# Altium PCB IMX6 DEV BOARD.PcbDoc (part 3 of 12)
Units mm, origin at the board's own origin, x right, y up, seen from the top; angles counter-clockwise.
Board outline 72.05 x 100.23 mm, 8 copper layers (Top Layer, GND 1, Inner 2, PWR 1, PWR 2, Inner 5, GND2, Bottom Layer), stack 1.463 mm thick; 691 components, 568 nets, 3028 pads, 1624 vias.
Unrouted connection lines stored in the file: 1.
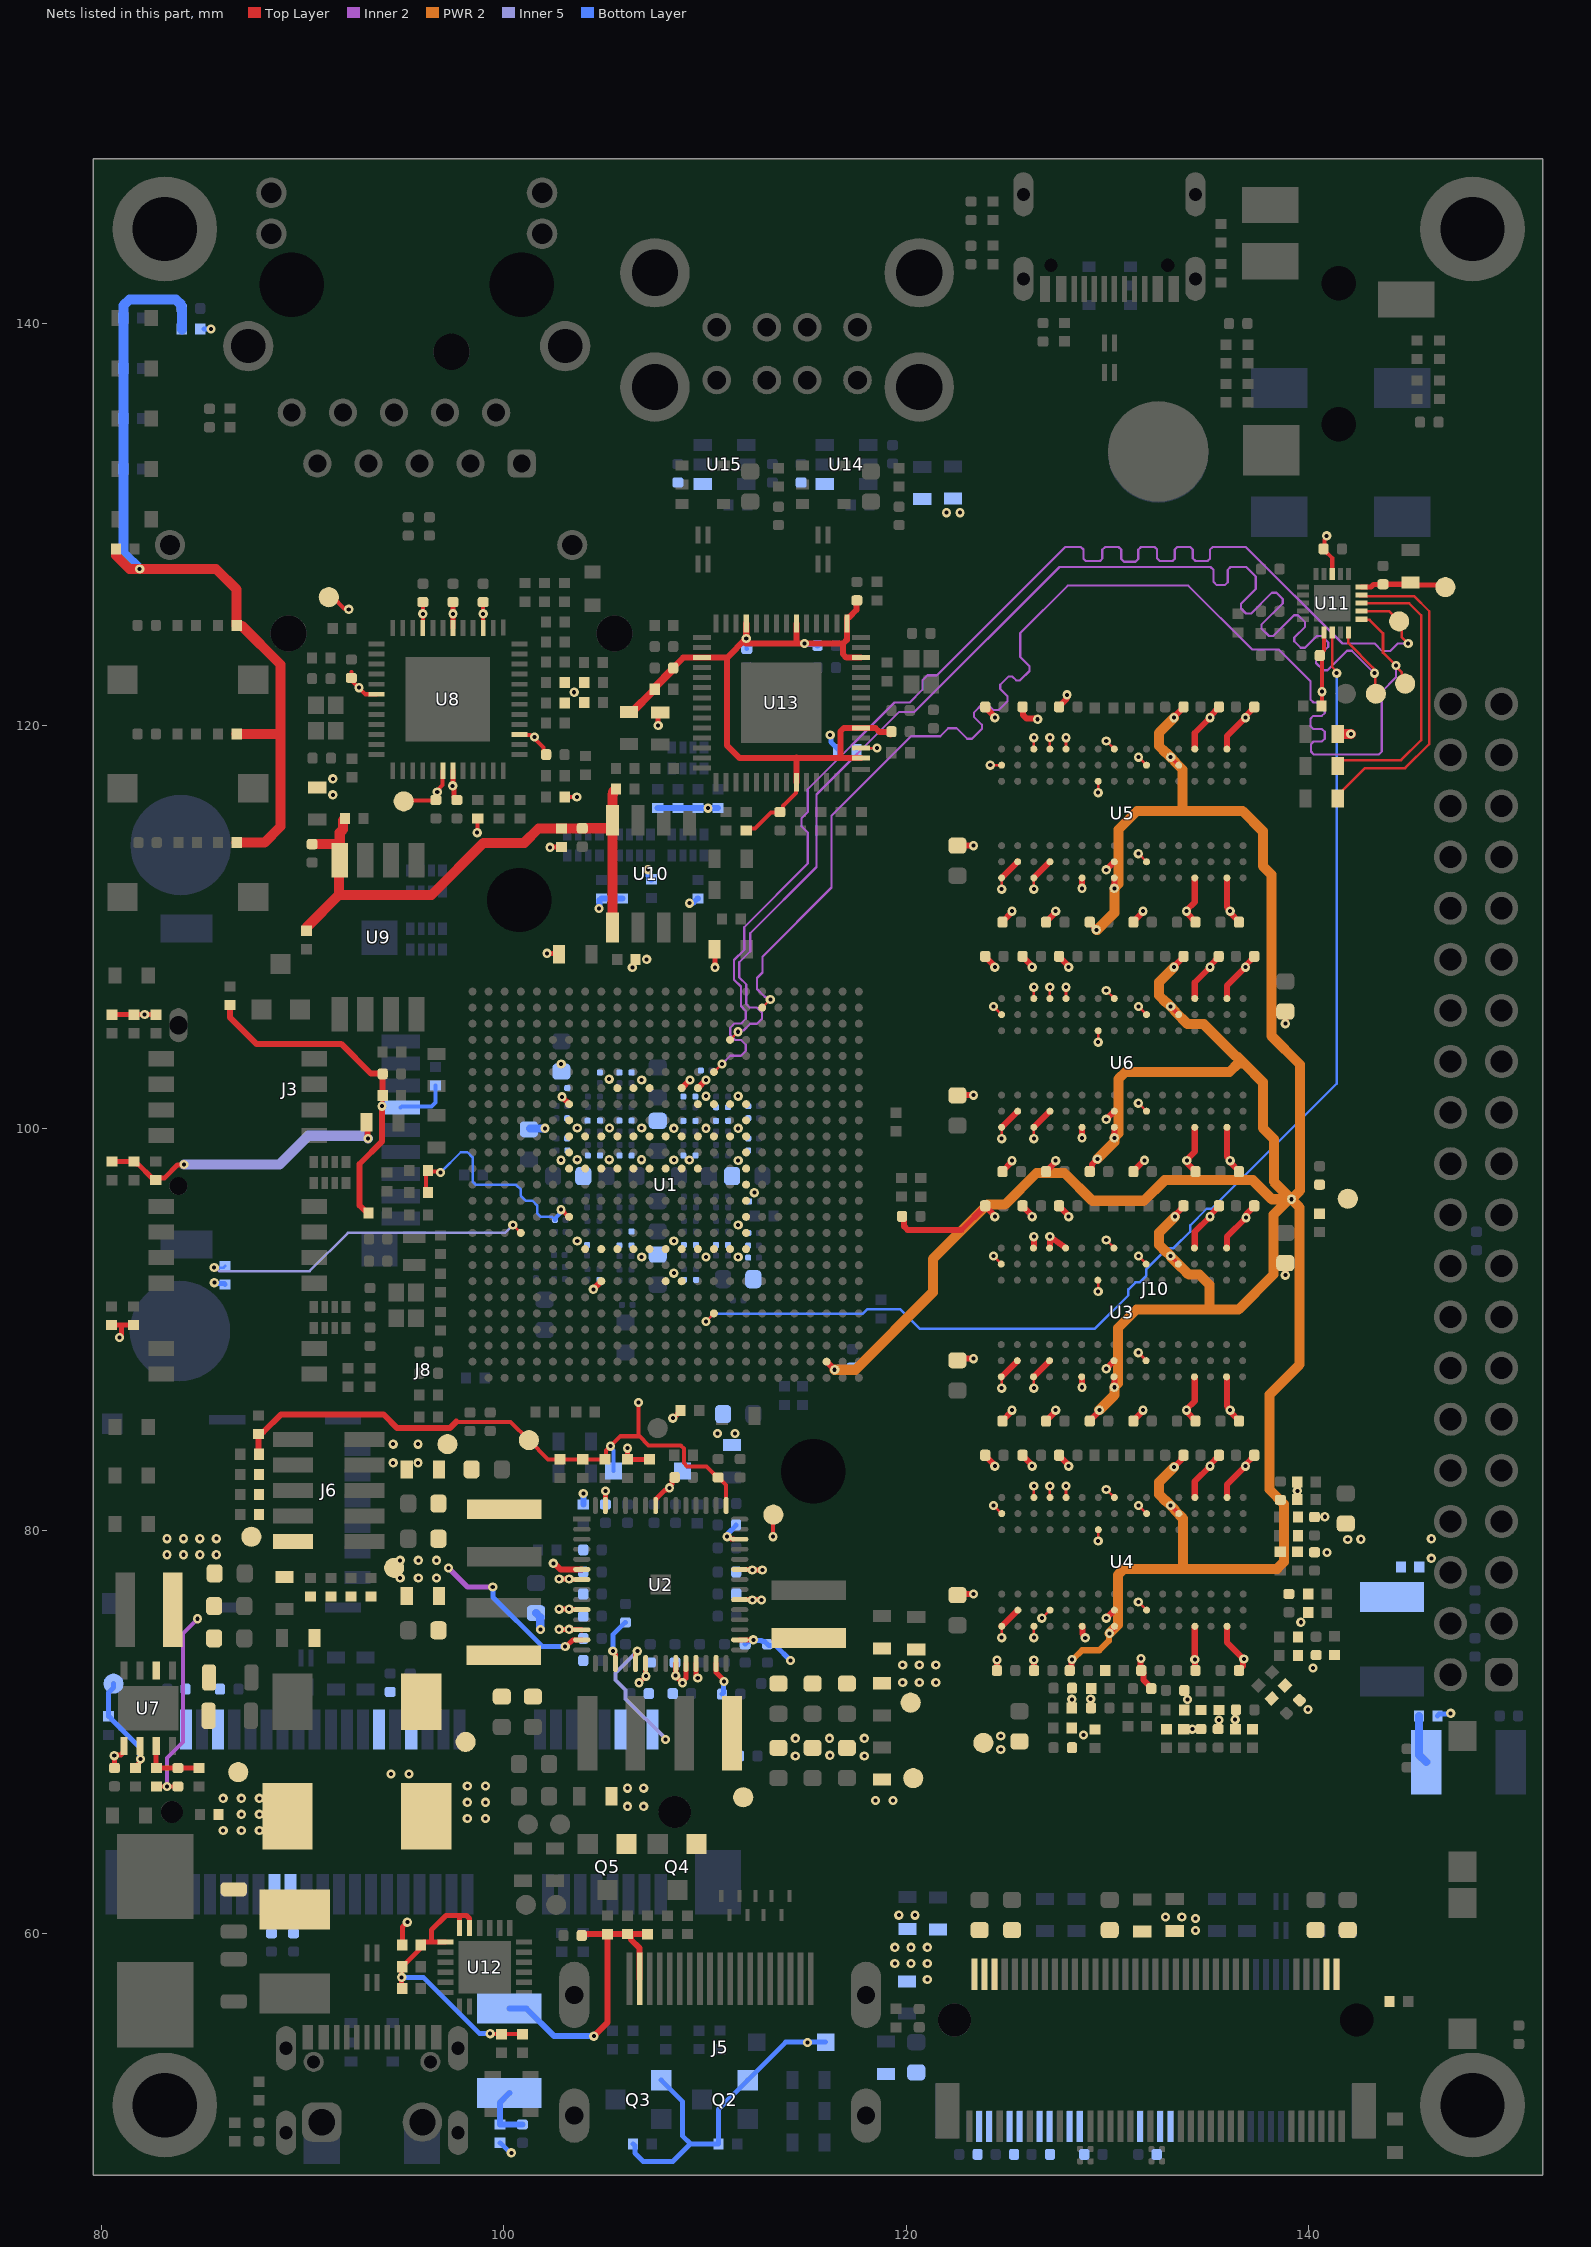
[diagram p9: the nets of this part, all layers, seen from the top]

## Part data
BT1: library part "battery holder", "WA-BCPH Battery Holder, THT, Battery Type 2450", Manufacturer="Wurth Elektronik", Operating Temperature="-40 to +105degC", Battery Type=2450, ComponentLink1Description=Manufacturer, ComponentLink1URL=http://www.we-online.de, ComponentLink2Description=Datasheet, ComponentLink2URL=https://www.we-online.com/catalog/datasheet/79578211.pdf, Manufacturer Part Number=79578211, Mounting Technology=THT, Packaging=Bag, Published Date="July 2021"
C1 C4 C5 C6 C190 C191 C261 C262: library part "cap 22pF 50V", "cap cer 22pF 50V 5% NP0 0402", Diélectrique=NP0, Tension du diélectrique=50V
C2 C7 C11 C149 C176 C186 C187 C188 C189 C206 C211 C213 C214 C215 C219 C220 C221 C222 C249 C260 C263 C264 C265 C306 C311: library part "cap 0.1µ 16V", "cap solid electrolyte 0.1µ 6.3V 10%", Diélectrique=X7R, Tension du diélectrique=16V
C3 C8 C9 C10 C185 C192 C193 C194 C195 C196 C197 C198 C199 C200 C201 C202 C203 C204 C205 C207 C208 C212 C216 C217 C218 C225 C226 C227 C228 C241 C245 C250 C251 C252 C253 C254 C255 C256 C266 C276 C283 C289 C290 C298 C300 C307 C315: library part "cap 1µ 25V", "cap cer 1µ 25V 10% X5R 0402", Diélectrique=X5R, Tension du diélectrique=25V
C12 C13 C14 C15 C16 C17 C19 C20 C21 C22 C24 C25 C26 C27 C28 C29 C30 C32 C33 C34 C35 C37 C38 C39 C40 C41 C42 C43 C44 C45 C46 C47 C48 C49 C50 C55 C56 C57 C58 C59 C60 C61 C62 C63 C64 C67 C68 C69 C70 C71 C73 C74 C75 C76 C77 C78 C79 C81 C82 C83 C84 C85 C86 C87 C88 C89 C90 C91 C93 C94 C95 C96 C97 C98 C99 C100 C101 C102 C104: library part "cap 0.22µ 6.3V", "cap solid electrolyte 0.22µ 6.3V 10%", Diélectrique=X5R, Tension du diélectrique=6.3V
C18 C23 C31 C36 C51 C52 C53 C54 C65 C66 C72 C80 C92 C103 C121 C122 C123 C124 C125 C126 C127 C128 C177 C178 C179 C236 C237 C238 C239 C240 C243 C247 C267 C277 C279 C280 C281 C286 C287 C288 C293 C294 C295 C301 C302 C303 C309 C310: library part "cap 22µ 10V", "cap cer 22µ 10V 10% X5R 0603", Diélectrique=X5R, Tension du diélectrique=10V
C105 C106 C107 C108 C109 C110 C111 C112 C113 C114 C115 C116 C117 C118 C119 C120 C129 C130 C131 C132 C133 C134 C135 C136 C137 C138 C139 C140 C141 C142 C143 C144 C145 C146 C147 C148 C150 C151 C152 C153 C154 C155 C156 C157 C158 C159 C160 C161 C162 C163 C164 C165 C166 C167 C168 C169 C170 C171 C172 C173 C174 C175: library part "cap 0.22µ 10V", "cap cer 0.22µ 10V 10% X5R 0402", Diélectrique=X5R, Tension du diélectrique=10V
C180 C244 C248: library part "cap DNP", "cap cer DNP 0402"
C181 C182 C183 C184: library part "cap 22µ 25V", "cap cer 22µ 25V 10% X5R 0805", Diélectrique=X5R, Tension du diélectrique=25V
C209 C210 C223: library part "cap 220µ 6.3V", "WCAP-PHGP Aluminum Polymer Capacitor, H-Chip SMT, L7.3W4.3H1.9mm, 220uF, 6.3V 875015119006", Capacitance Tolerance=+/-20%, Leakage Current=138.6uA, Manufacturer="Wurth Elektronik", Manufacturer Part Number=875015119006, Operating Temperature Max=105°C, Operating Temperature Min=-55°C, Rated Voltage (DC)=6.3V, Ripple Current=5100mA, Capacitance=220uF, Category="Aluminum Polymer Capacitors", ComponentLink1Description="Manufacturer Link", ComponentLink1URL=https://www.we-online.com/redexpert/article/875015119006?ad, ComponentLink2Description=Datasheet, ComponentLink2URL=https://www.we-online.com/redexpert/spec/875015119006?ad, Dissipation Factor=6%, Endurance=2000h, ESR=15mOhm, Height=1.9mm, Length=7.3mm, Match Code=WCAP-PHGP, Mount="Surface Mount", Packaging="Tape and Reel", Technical Reference=PSE2917221M6R3DHCT2HT19, Width=4.3mm
C229 C230 C231 C242 C246 C257 C258 C259 C268 C269 C270 C271 C272 C274 C282 C285 C292 C296 C299 C304 C308: library part "cap 4.7µ 10V", "cap cer 4.7µ 10V 10% X7R 0402", Diélectrique=X7R, Tension du diélectrique=10V
C232 C233 C234 C235: library part "cap 10n 10V", "cap ceramique 10n 10V 10% 0201", Diélectrique=X5R, Tension du diélectrique=10V
C273 C278 C284 C291 C297 C305: library part "cap 0.1µ 4V", "cap cer 0.1µ 16V 10% X7R 0402", Diélectrique=X7R, Tension du diélectrique=16V
C312 C313 C314: library part "cap 1µ 16V", "cap cer 1µ 16V 10% X7R 0402", Diélectrique=X7R, Tension du diélectrique=16V
D1 D7: library part "Diode 1N4148 100V 150mA"
D2 D23 D24 D25: library part "TVS USB 824011", "WE-TVS TVS Diode – High Speed Series, SOT23-5L, 2+1 Channel, 5Vdc, 2pF", Channel ESD Clamping Voltage=13V, Channel Input Capacitance=2pF, Channel Operating Voltage=5V, Channel Reverse Leakage Current=1uA, Manufacturer="Wurth Elektronik", Manufacturer Part Number=824011, Operating Temperature max.=125C, Operating Temperature min.=-55C, Reverse Breakdown Voltage=6.1V, Reverse Peak Pulse Current=13A, Channel Number=2+1, ComponentLink1Description="Manufacturer Link", ComponentLink1URL=http://www.we-online.de, ComponentLink2Description=Datasheet, ComponentLink2URL=https://www.we-online.com/catalog/datasheet/824011.pdf, ESD Air Discharge Capability=24kV, ESD Contact Discharge Capability=16kV, Height=1.16mm, Length=2.9mm, Mounting Technology=SMT, Packaging="Tape and Reel", Polarity=Unidirectional, Size=SOT23-5L, Width=2.8mm
D3 D9 D10 D11 D12 D13 D14 D15 D16: library part "TVS suppressor 82357120050", "82357120050", ComponentLink1Description="New link", ComponentLink1URL=https://www.we-online.com/catalog/datasheet/82357120050.pdf
D4 D5 D6 D17 D18 D19 D20 D21 D22 D28 D29: library part "LED Red 0603", "WL-SMCC SMD Mono-color Chip LED Compact, size 0603, Red, 2V, 120deg 150060RS73220", Emitting Color=Red, Forward Voltage=2V, Operating Temperature="-40 to +85degC", Part Number=150060RS73220, Chip Technology=AlInGaP, ComponentLink1URL=http://www.we-online.de, ComponentLink2Description=Datasheet, ComponentLink2URL=https://katalog.we-online.com/led/datasheet/150060RS73220.pdf, Dominant Wavelength=624nm, Luminous Intensity=90mcd, Mounting Technology=SMT, Packaging="Tape and Reel", Peak Wavelength=632nm, Published Date="July 2019", Publisher="Wurth Elektronik", Size=0603, Viewing Angle=120deg
D8: library part "TVS HDMI", "WE-TVS TVS Diode – Super Speed Series, DFN3810-9L, 8 Channel, 5Vdc, 0.5pF 824014885", Channel ESD Clamping Voltage=10.5V, Channel Input Capacitance=0.5pF, Channel Operating Voltage=5V, Channel Reverse Leakage Current=1uA, Manufacturer="Wurth Elektronik", Manufacturer Part Number=824014885, Operating Temperature max.=85C, Operating Temperature min.=-55C, Reverse Breakdown Voltage=6V, Reverse Peak Pulse Current=5A, Channel Number=8, ComponentLink1Description="Manufacturer Link", ComponentLink1URL=http://www.we-online.de, ComponentLink2Description=Datasheet, ComponentLink2URL=https://www.we-online.com/catalog/datasheet/824014885.pdf, ESD Air Discharge Capability=15kV, ESD Contact Discharge Capability=15kV, Height=0.5mm, Length=3.8mm, Mounting Technology=SMT, Packaging="Tape and Reel", Polarity=Unidirectional, Size=DFN3810-9L, Width=1mm
D26: library part "LED green 0603", "WL-SMCC SMD Mono-color Chip LED Compact, size 0603, Bright Green, 2V, 120deg 150060VS73220", Emitting Color="Bright Green", Forward Voltage=2V, Operating Temperature="-40 to +85degC", Part Number=150060VS73220, Chip Technology=AlInGaP, ComponentLink1URL=http://www.we-online.de, ComponentLink2Description=Datasheet, ComponentLink2URL=https://katalog.we-online.com/led/datasheet/150060VS73220.pdf, Dominant Wavelength=573nm, Luminous Intensity=60mcd, Mounting Technology=SMT, Packaging="Tape and Reel", Peak Wavelength=575nm, Published Date="July 2019", Publisher="Wurth Elektronik", Size=0603, Viewing Angle=120deg
D27: library part "LED Yellow 0603", "WL-SMCC SMD Mono-color Chip LED Compact, size 0603, Yellow, 2V, 120deg 150060YS73220", Emitting Color=Yellow, Forward Voltage=2V, Operating Temperature="-40 to +85degC", Part Number=150060YS73220, Chip Technology=AlInGaP, ComponentLink1URL=http://www.we-online.de, ComponentLink2Description=Datasheet, ComponentLink2URL=https://katalog.we-online.com/led/datasheet/150060YS73220.pdf, Dominant Wavelength=589nm, Luminous Intensity=100mcd, Mounting Technology=SMT, Packaging="Tape and Reel", Peak Wavelength=591nm, Published Date="July 2019", Publisher="Wurth Elektronik", Size=0603, Viewing Angle=120deg
D30: library part "LED blue 0603", "WL-SMCC SMD Mono-color Chip LED Compact, size 0603, Blue, 3.2V, 120deg 150060BS73220", Emitting Color=Blue, Forward Voltage=3.2V, Operating Temperature="-40 to +85degC", Part Number=150060BS73220, Chip Technology=InGaN, ComponentLink1URL=http://www.we-online.de, ComponentLink2Description=Datasheet, ComponentLink2URL=https://katalog.we-online.com/led/datasheet/150060BS73220.pdf, Dominant Wavelength=470nm, Luminous Intensity=170mcd, Mounting Technology=SMT, Packaging="Tape and Reel", Peak Wavelength=465nm, Published Date="July 2019", Publisher="Wurth Elektronik", Size=0603, Viewing Angle=120deg
D31: library part "Diode 600V 6A", "Diode 600V 6A DO-214AB"
F1: library part Fuse_8A_SMD, "Fuse 6A SMD 2410 / NANO", ComponentLink1Description="New link", ComponentLink1URL=https://www.mouser.fr/datasheet/2/240/Littelfuse_Fuse_154_154T_154L_154TL_Datasheet_pdf-365375.pdf
F2 F3 F4: library part "Fuse PPTC 0.3A", "Hold : 0.3A, trip 0.6A 30V 1812"
FB1: library part "Ferrite bead 1612", "ferrite bead 10A 2.5m Ohm / 74279223560", ComponentLink1Description="New link", ComponentLink1URL=https://www.we-online.com/catalog/datasheet/74279223560.pdf
FB2 FB3 FB4 FB5 FB7 FB21 FB25 FB26: library part "Ferrite bead 0603", "ferrite bead 17AA 2mohm / 7426926222", ComponentLink1Description="New link", ComponentLink1URL=https://www.we-online.com/catalog/datasheet/7426926222.pdf
FB6 FB8 FB9 FB10 FB11 FB12 FB13 FB14 FB15 FB16 FB17 FB18 FB19 FB20 FB22 FB23 FB24 FB27: library part "Ferrite bead 0402", "ferrite bead 1.2A 70mohm / 74269242111", ComponentLink1Description="New link", ComponentLink1URL=https://www.we-online.com/catalog/datasheet/74269242111.pdf
HT1: library part "Heatsink BGA 21x21mm", "Heatsink : 960-21-15-S-AB-0 / 6°/W @ 200LFM"
J1: library part "USB C 12 pin EXT 629722000214", "629722000214 wurth connector, up to 5A, with bottom pads for more cables"
J2: library part "RJ45 7499111447"
J3: library part SD_micro_693071020811, "SD micro card, push & push"
J4: "header raspberry pi compatible"
J6: "62131021021"
J7: library part "Audio Jack 3.5mm 4 pin", "4 pole audio Jack SJ-43514-SMT"
J8: library part mini_PCIe_1775838-2, "mini pcie connector"
J9: library part "Nano SIM"
J10: library part "SATA_M.2_2199230-3 / multi interface", "Combined component with SATA M.2 and external card connector (M.2 format too) / ref : / 2199230-4 / 2199230-3"
J11: library part USBA_stacked_61400826021, "2x USB type A, stacked"
J12: library part "USB C 12 pin 629722000214", "629722000214 wurth connector, up to 5A"
L1: library part "inductor 4.7µ 6.4A", "inductor 4.7µ 6.4A sat 4030 / 74438357047", ComponentLink1Description="New link", ComponentLink1URL=https://www.we-online.com/catalog/datasheet/74438357047.pdf, Saturation=6.4A
L2 L3 L4 L5 L6 L7: library part "inductor coupled USB", "WE-CNSW SMT Common Mode Line Filter, size 0603, 90Ohm, 0.55A, 50V", DC Resistance max.=0.145Ohm, Insulation Test Voltage=125VAC, Manufacturer="Wurth Elektronik", Manufacturer Part Number=744230900, Operating Temperature="-40 to +125degC", Rated Current=0.55A, Rated Voltage=50V, ComponentLink1Description=Manufacturer, ComponentLink1URL=http://www.we-online.de, ComponentLink2Description=Datasheet, ComponentLink2URL=https://www.we-online.com/catalog/datasheet/744230900.pdf, Impedance=90Ohm, Impedance Test Condition=100MHz, Mounting Technology=SMT, Packaging="Tape and Reel", Published Date="April 2020", Size=0603, Winding Style=bifiliar
L8 L9 L10 L11 L12: library part "inductor 1.0µ 9A", "inductor 1.0µ 9A sat 4020 74438356010", Saturation=9A
M1: "CE marking"
M2: "RoHS marking"
M3: "Card number"
M4: "for IP marking"
MT1 MT2 MT3 MT4: "mounting hole / H : 3.2mm / D : 5.2mm"
Q1 Q2 Q3 Q4 Q5: library part "Tr nmos NX6008NBK", "SOT-23-3 270mA 60V ESD protected 2kV HBM"
R1 R2 R3 R4 R6 R9 R69 R71 R111 R112 R160 R161 R162 R163: library part "res 100k 1%", "res 100k 1% 0402", pourcentage=1%
R5 R11 R14 R158: library part "res 2M2 1%", "res 2M2 1% 0402", pourcentage=1%
R7 R17 R18 R19 R20 R21 R22 R23 R24 R25 R26 R107 R108 R109 R115 R117 R177 R178: library part "res 0Ohm", "res 0603", pourcentage=--
R8 R12 R13 R110: library part "res DNP 0603", "res DNP 0603", pourcentage=1%
R10: library part "res DNP", "res DNP 0402", pourcentage=1%
R15 R16 R77 R120 R121 R145 R146 R179 R180 R181 R194: library part "res 4.7k 1%", "res 4.7k 1% 0402", pourcentage=1%
R27 R28 R29 R30 R33 R34 R35 R36 R37 R81 R82 R84: library part "res 240 1%", "res 240 1% 0402", pourcentage=1%
R31 R32 R80 R91 R98 R101 R102 R103 R104 R105 R119 R122 R123 R124 R125 R131 R132 R164 R165 R166 R167 R168 R169 R201: library part "res 10k 1%", "res 10k 1% 0402", pourcentage=1%
R38 R39 R40 R41 R42 R43 R44 R45 R46 R47 R48 R49 R50 R51 R52 R53 R54 R55 R56 R57 R58 R59 R60 R61 R62 R63 R64 R65 R66 R127 R128 R133 R134 R174 R175 R176: library part "res 49R9 1%", "res 49R9 ohm 1% 0402", pourcentage=1%
R67 R70 R73 R75 R76 R195 R196 R197 R198 R199 R200 R202 R203 R204 R205 R206 R207 R217: library part "res 10m 1%", "res 10m 1% 0.33W 0603", pourcentage=1%
R68 R78 R79 R116 R143 R144: library part "res 1.6k 1%", "res 1.6k 1% 0402", pourcentage=1%
R72 R113: library part "res 31.6k 1%", "res 31.6k 1% 0402", pourcentage=1%
R74 R83 R118 R137 R149 R157: library part "res 200 1%", "res 200 1% 0402", pourcentage=1%
R85 R88 R90 R92 R93 R95 R96 R97: library part "res 2.49k 1%", "res 2.49k 1% 0402", pourcentage=1%
R86 R87 R114 R135 R136: library part "res 0Ohm small", "res 0402", pourcentage=--
R89 R94 R106 R126 R129 R130 R138 R139 R140 R141 R151 R152 R153 R154 R155 R170 R171 R172 R173 R209 R210 R211 R212 R213 R214 R215 R216: library part "res 1k 1%", "res 1k 1% 0402", pourcentage=1%
R99 R100 R147 R148 R150 R156 R182 R183 R184 R185 R186 R187 R188 R189 R190 R191 R192 R193 R208: library part "res DNP 0402", "res DNP 0403", pourcentage=1%
R142: library part "res 191 1%", "res 191 ohm 1% 0402", pourcentage=1%
R159: library part "res 12k 1%", "res 12k 1% 0402", pourcentage=1%
RN1 RN2 RN3 RN4 RN5 RN6 RN7 RN8: library part "res 10k net x4", "resistor network 10k 5% x4 EXB-28V103JX"
SW1 SW2: library part "DIP switch x4"
SW3: library part "DIP switch x2"
TP1 TP2 TP3 TP4 TP5 TP6 TP7 TP8 TP9 TP10 TP11 TP12 TP13 TP14 TP15 TP16 TP17 TP18 TP19 TP20 TP21 TP22 TP23 TP24 TP25: "Test point 1mm diameter"
U1: library part IMX6Q5EYM10AE, "32-Bit i.MX 6 Quad Application Processor, 1 GHz, 256 KB RAM, Extended Consumer Grade, 624-Pin FCPBGA, RoHS, Tape and Reel", Manufacturer="Freescale Semiconductor", PartNumber=MCIMX6Q5EYM10ACR, Temperature Range="-20 to 105 degC", Cache (KB)=32, CAN=FlexCAN, ComponentLink1Description="Manufacturer URL", ComponentLink1URL=http://www.freescale.com/, ComponentLink2Description=Datasheet, ComponentLink2URL=http://cache.freescale.com/files/32bit/doc/data_sheet/IMX6DQCEC.pdf?fpsp=1&WT_TYPE=Data%20Sheets&WT_VENDOR=FREESCALE&WT_FILE_FORMAT=pdf&WT_ASSET=Documentation, ComponentLink3Description="Package Specification", ComponentLink3URL=http://cache.freescale.com/files/32bit/doc/data_sheet/IMX6DQCEC.pdf?fpsp=1&WT_TYPE=Data%20Sheets&WT_VENDOR=FREESCALE&WT_FILE_FORMAT=pdf&WT_ASSET=Documentation, Core Type="ARM Cortex A9", DatasheetVersion="Rev. 2.3", Ethernet="1 Gbps + IEEE 1588", External Memory Supported="DDR3, DDR3L, FLASH, LPDDR2", Internal RAM (KB)=256, Mounting Technology="Surface Mount", Number of Cores="4 Spec", PackageDescription="624-pin Ball Grid Array Package, Body 21 x 21mm, Pitch 0.8mm", PackageReference=FCPBGA-624, PackageVersion="Rev. A", Packing="Tape and Reel", Quad/Dual CPU="i.MX 6Quad", RoHS=TRUE, Speed Grade="1 GHz"
U2: library part "IC MMPF0100", "PMIC", ComponentLink1Description="New link", ComponentLink1URL=D:\Carte_IMX6\datasheet\MMPF0100.pdf
U3 U4 U5 U6: library part DDR3, "DDR3 4Gbx4"
U7: library part "IC ST1S40 QFN", "switching regulator"
U8: library part "IC DP83869", "Ethernet transciever"
U9: library part "IC W25Q64JV", "64Mbit flash NOR"
U10: library part "IC 24CS512", "EEPROM 512kbit"
U11: library part "IC SGTL5000XNLA3", "Audio codec"
U12: "UART to USB converter"
U13: library part "IC USB2524", "USB hub 4 ports"
U14 U15: library part "IC MIC2005A", "Current limiter 0.5A", ComponentLink1Description="New link", ComponentLink1URL=https://ww1.microchip.com/downloads/aemDocuments/documents/APID/ProductDocuments/DataSheets/MIC20XX-Fixed-and-Adjustable-Current-Limiting-Power-Distribution-Switches-DS20006486B.pdf
Y1: library part "XTAL 32.768kHz", "WE-XTAL, 25MHz, +/-10ppm 830062558"
Y2 Y4: library part "XTAL 24MHz", "WE-XTAL 24MHz, +/-10ppm / 830108212309", Frequency Stability=+/-10ppm, Load Capacitance=10pF, Manufacturer="Wurth Elektronik", Manufacturer Part Number=830108212309, Operating Temperature="-20 to +70degC", ComponentLink2Description=Datasheet, ComponentLink2URL=https://www.we-online.com/catalog/datasheet/830108212309.pdf, Frequency=24MHz, Frequency Tolerance=+/-10ppm, Mounting Technology=SMT, Packaging="Tape and Reel", Published Date="July 2020"
Y3: library part "XTAL 25MHz", "WE-XTAL, 25MHz, +/-10ppm", Frequency=24MHz, Frequency Stability=+/-10ppm, Load Capacitance=10pF, Manufacturer="Wurth Elektronik", Manufacturer Part Number=830108212509, Operating Temperature="-20 to +70degC", Frequency Tolerance=+/-10ppm, Mounting Technology=SMT, Packaging="Tape and Reel", Published Date="July 2020"

## Via types
v1: diameter 0.46, hole 0.2, Top Layer to Bottom Layer, tented both sides, 1586 vias
v2: diameter 0.7, hole 0.4, Top Layer to Bottom Layer, 32 vias
v3: diameter 0.46, hole 0.2, Top Layer to Bottom Layer, tented bottom, 6 vias

## Nets (pads, with @x,y where several pads share a name; then routed paths per layer and width w, separated by ;. In a path a pad name is that pad's centre, name@x,y a point inside that pad or via, vN(x,y) a via of type N, cw(c..) or ccw(c..) an arc to the next point about the centre after c; other vN are vias at no path point)
+0.75_DRAM_VTT: C114.1 C115.1 C116.1 C117.1 C118.1 C119.1 C120.1 C127.1 C128.1 C150.1 C151.1 C152.1 C153.1 C154.1 C155.1 R38.2 R39.2 R40.2 R41.2 R42.2 R43.2 R44.2 R45.2 R46.2 R47.2 R48.2 R49.2 R50.2 R51.2 R53.2 R54.2 R56.2 R57.2 R58.2 R60.2 R61.2 R62.2 R63.2 R65.2 R66.2 R207.2 TP22.1 U2.19 | length 6.5
  Top Layer w0.25: U2.19@106.55,73.399 106.554,73.403 106.554,73.872 106.636,73.955 v1(106.636,74.011)
  Inner 5 w0.2: 105.802,72.33 105.55,72.582 105.55,72.925 v1(106.636,74.011) ; 105.803,72.33 106.055,72.078 106.055,71.64 108.036,69.659 v1(108.036,69.618)
  other v1: 106.15,66.3 106.95,66.3 106.15,67.2 106.95,67.2 124.7,69.125 124.7,69.8 128.809,69.843 134.223,70.136 135.546,70.591 136.354,70.609 139.978,71.108 133.983,71.614 128.23,71.621 129.17,71.637 140.225,73.175 139.615,75.45 140.912,78.92 141.948,79.562 142.6,79.575 140.806,80.693 139.442,81.981
+0.75V_VREF_DRAM: C105.1 C106.1 C107.1 C108.1 C109.1 C110.1 C111.1 C112.1 C113.1 C313.1 FB27.2 TP23.1 U1.AC2 U3.H1 U3.M8 U4.H1 U4.M8 U5.H1 U5.M8 U6.H1 U6.M8 | length 169.2
  Top Layer w0.2: v1(133.144,81.25) U4.M8@133.544,80.85 ; v1(133.144,93.65) U3.M8@133.544,93.25 ; v1(133.144,106.05) U6.M8@133.544,105.65 ; v1(133.144,118.45) U5.M8@133.544,118.05
  Top Layer w0.3: U1.AC2@116.044,88.4 v1(116.444,88) ; C108.1@128.127,73.047 128.215,73.136 128.215,73.571 v1(128.244,73.6) ; C106.1@129.124,85.45 129.124,85.471 129.569,85.916 129.569,85.963 v1(129.597,85.991) ; C113.1@129.124,97.85 129.228,97.954 129.228,98.203 v1(129.5,98.475) ; C110.1@129.124,110.229 129.45,109.902 v1(129.45,109.869) ; v1(130.105,74.899) 130.134,74.928 130.134,74.979 130.344,75.19 U4.H1@130.344,75.25 ; v1(133.313,108.009) 133.342,108.037 133.342,108.084 133.787,108.529 C112.1@133.787,108.55 ; v1(133.313,120.409) 133.342,120.437 133.342,120.484 133.787,120.929 C111.1@133.787,120.95 ; v1(133.322,83.168) 133.683,83.529 133.683,83.646 C107.1@133.787,83.75 ; v1(133.362,95.609) 133.39,95.637 133.39,95.717 133.803,96.129 C105.1@133.803,96.15 ; v1(130.344,87.13) 130.344,87.65 v1(130.344,87.13) ; v1(130.344,99.53) U6.H1@130.344,100.05 v1(130.344,99.53) ; v1(130.344,111.93) U5.H1@130.344,112.45 v1(130.344,111.93)
  PWR 2 w0.3: v1(128.244,73.6) 128.284,73.6 128.741,74.057 129.603,74.057 130.076,74.531 130.076,74.87 v1(130.105,74.899)
  PWR 2 w0.5: v1(116.444,88) 117.475,88 121.325,91.85 121.325,93.5 124.04,96.215 124.922,96.215 126.482,97.775 127.875,97.775 129.25,96.4 131.825,96.4 132.85,97.425 137.225,97.425 138.175,96.475 v1(139.15,96.475) ; v1(129.45,109.869) 129.502,109.869 130.344,110.711 v1(130.344,111.93) 130.559,112.145 130.559,114.858 131.476,115.775 133.7,115.775 ; v1(129.5,98.475) 130.344,99.319 v1(130.344,99.53) 130.559,99.745 130.559,102.458 130.902,102.801 136.076,102.801 136.511,103.236 136.786,103.236 ; v1(129.597,85.991) 130.344,86.738 v1(130.344,87.13) 130.529,87.315 130.529,90.079 131.45,91 135.075,91 ; v1(130.105,74.899) 130.529,75.323 130.529,77.807 130.822,78.1 133.75,78.1 ; v1(133.313,108.009) 132.564,107.259 132.564,106.608 132.907,106.265 132.929,106.265 v1(133.144,106.05) 133.359,105.835 133.359,105.808 133.992,105.175 134.792,105.175 136.386,103.581 136.44,103.581 136.786,103.236 ; v1(133.313,120.409) 132.564,119.659 132.564,119.008 132.907,118.665 132.929,118.665 v1(133.144,118.45) 133.359,118.235 133.359,118.208 133.729,117.838 133.729,115.804 133.7,115.775 ; v1(133.322,83.168) 132.564,82.41 132.564,81.808 132.907,81.465 132.929,81.465 v1(133.144,81.25) 133.359,81.035 133.359,81.008 133.75,80.617 133.75,78.1 ; v1(133.362,95.609) 132.564,94.811 132.564,94.208 132.907,93.865 132.929,93.865 v1(133.144,93.65) 133.144,93.623 133.702,93.065 133.71,93.065 134.05,92.725 134.575,92.725 135.075,92.225 135.075,91 ; 133.7,115.775 136.725,115.775 137.729,114.771 137.729,113.038 138.15,112.617 138.15,104.6 139.575,103.175 139.575,96.9 v1(139.15,96.475) ; 133.75,78.1 138.45,78.1 138.45,78.117 138.772,78.439 138.772,81.33 138.057,82.045 138.057,86.757 139.55,88.25 139.55,96.075 v1(139.15,96.475) ; 135.075,91 136.525,91 138.259,92.734 138.259,95.709 139.025,96.475 v1(139.15,96.475) ; 136.786,103.236 137.729,102.292 137.729,100.021 138.275,99.475 138.275,97.35 v1(139.15,96.475)
  Bottom Layer w0.3: v1(116.444,88) 116.487,88 116.596,88.109 C109.1@117.321,88.109
+1.1V_PHY: C192.1 C193.1 C194.1 R199.2 TP15.1 U8.6 U8.31 U8.39 | length 6
  Top Layer w0.2: TP15.1@91.3,126.4 91.5,126.4 92.05,125.85 92.243,125.85 v1(92.293,125.8) ; U8.39@100.776,119.576 100.795,119.556 101.339,119.556 101.449,119.446 v1(101.52,119.446) 101.52,119.38 101.975,118.925 101.975,118.704 C193.1@102.105,118.575
  Top Layer w0.25: U8.31@97.475,117.775 97.47,117.77 97.47,117.037 v1(97.457,117.025) 97.457,116.968 97.519,116.907 97.519,116.449 97.648,116.32 C194.1@97.668,116.32 ; U8.6@97.475,124.876 v1(97.475,125.575) C192.1@97.475,126.155
  other v1: 91.5,116.575 91.5,117.375
+1.5V: C301.1 C302.1 C303.1 C306.1 C307.1 L11.2 R204.1 R205.1 U2.30 | length 3.5
  Top Layer w0.25: U2.30@111.726,74.575 v1(112.4,74.575) ; L11.2@113.425,74.575 113.45,74.55 L11.2@113.45,74.52
  Bottom Layer w0.25: C307.1@112,74.357 112.128,74.485 112.253,74.485 112.343,74.575 v1(112.4,74.575) 112.434,74.541 112.804,74.541 112.859,74.485 112.972,74.485 C306.1@113.1,74.357 113.171,74.286 113.514,74.286 v1(114.25,73.55)
+1.5V_DRAM: C60.1 C61.1 C62.1 C63.1 C64.1 C65.1 C66.1 C73.1 C74.1 C75.1 C76.1 C77.1 C78.1 C121.1 C122.1 C123.1 C124.1 C125.1 C126.1 C129.1 C130.1 C131.1 C132.1 C133.1 C134.1 C135.1 C136.1 C137.1 C138.1 C139.1 C140.1 C141.1 C142.1 C143.1 C144.1 C145.1 C146.1 C147.1 C148.1 C149.2 C156.1 C157.1 C158.1 C159.1 C160.1 C161.1 C162.1 C163.1 C164.1 C165.1 C166.1 C167.1 C168.1 C169.1 C170.1 C171.1 C172.1 C173.1 C174.1 C175.1 C176.2 FB25.2 TP19.1 U1.R18 U1.T18 U1.U18 U1.V9 U1.V10 U1.V11 U1.V12 U1.V13 U1.V14 U1.V15 U1.V16 U1.V17 U1.V18 U3.A1 U3.A8 U3.B2 U3.C1 U3.C9 U3.D2 U3.D9 U3.E9 U3.F1 U3.G7 U3.H2 U3.H9 U3.K2 U3.K8 U3.N1 U3.N9 U3.R1 U3.R9 U4.A1 U4.A8 U4.B2 U4.C1 U4.C9 U4.D2 U4.D9 U4.E9 U4.F1 U4.G7 U4.H2 U4.H9 U4.K2 U4.K8 U4.N1 U4.N9 U4.R1 U4.R9 U5.A1 U5.A8 U5.B2 U5.C1 U5.C9 U5.D2 U5.D9 U5.E9 U5.F1 U5.G7 U5.H2 U5.H9 U5.K2 U5.K8 U5.N1 U5.N9 U5.R1 U5.R9 U6.A1 U6.A8 U6.B2 U6.C1 U6.C9 U6.D2 U6.D9 U6.E9 U6.F1 U6.G7 U6.H2 U6.H9 U6.K2 U6.K8 U6.N1 U6.N9 U6.R1 U6.R9 | length 109.1
  Top Layer w0.125: v1(124.178,118.05) U5.A8@124.744,118.05 ; v1(124.344,81.25) U4.A8@124.744,80.85 ; v1(124.344,93.65) U3.A8@124.744,93.25 ; v1(124.344,106.05) U6.A8@124.744,105.65 ; v1(124.744,74.684) U4.A1@124.744,75.25 ; v1(124.744,87.084) U3.A1@124.744,87.65 ; v1(124.744,99.484) U6.A1@124.744,100.05 ; v1(124.744,111.884) U5.A1@124.744,112.45 ; v1(126.344,74.684) U4.C1@126.344,75.25 ; U4.C9@126.344,81.65 v1(126.344,82.216) ; v1(126.344,87.084) U3.C1@126.344,87.65 ; v1(126.344,99.484) U6.C1@126.344,100.05 ; U6.C9@126.344,106.45 v1(126.344,107.016) ; v1(126.344,111.884) U5.C1@126.344,112.45 ; U5.C9@126.344,118.85 v1(126.344,119.416) ; v1(126.744,75.65) U4.D2@127.144,76.05 ; U4.D9@127.142,81.661 v1(127.142,82.227) ; U6.D9@127.142,106.461 v1(127.142,107.027) ; U5.D9@127.142,118.861 v1(127.142,119.427) ; U4.E9@127.944,81.65 v1(127.944,82.216) ; U6.E9@127.944,106.45 v1(127.944,107.016) ; U5.E9@127.944,118.85 v1(127.944,119.416) ; v1(129.544,79.484) U4.G7@129.544,80.05 ; v1(129.544,91.884) U3.G7@129.544,92.45 ; v1(129.544,104.284) U6.G7@129.544,104.85 ; v1(129.544,116.684) U5.G7@129.544,117.25 ; v1(129.944,82.05) U4.H9@130.344,81.65 ; v1(131.541,76.45) v1(131.541,76.45) 131.942,76.05 U4.K2@131.944,76.05 ; v1(131.541,101.25) U6.K2@131.944,100.85 U6.K2@131.944,100.85 ; v1(131.541,113.65) U5.K2@131.944,113.25 ; v1(131.544,81.25) U4.K8@131.944,80.85 ; v1(131.544,93.65) U3.K8@131.944,93.25 ; v1(131.544,106.05) U6.K8@131.944,105.65 ; v1(131.544,118.45) U5.K8@131.944,118.05 ; v1(129.944,94.45) 130.344,94.05 v1(129.944,94.45) ; v1(129.944,106.85) U6.H9@130.344,106.45 v1(129.944,106.85) ; v1(129.944,119.25) U5.H9@130.344,118.85 v1(129.944,119.25)
  Top Layer w0.15: v1(131.541,88.85) v1(131.541,88.85) 131.942,88.45 U3.K2@131.944,88.45 ; v1(131.541,101.25) v1(131.541,101.25) ; v1(131.541,113.65) v1(131.541,113.65) ; U5.K2@131.944,113.25 U5.K2@131.944,113.25
  Top Layer w0.3: C176.2@119.793,95.625 119.897,95.521 119.897,95.123 120.073,94.947 122.747,94.947 C157.1@123.93,96.129 ; C122.1@122.544,76.85 v1(123.344,76.85) ; C121.1@122.544,88.55 v1(123.344,88.55) ; C126.1@122.544,101.65 v1(123.344,101.65) ; C123.1@122.544,114.05 v1(123.344,114.05) ; C137.1@123.93,83.75 123.93,83.729 124.374,83.284 124.374,83.237 v1(124.403,83.209) ; C157.1@123.93,96.15 C157.1@123.93,96.129 ; C141.1@123.93,108.55 123.93,108.529 124.374,108.084 124.374,108.037 v1(124.403,108.009) ; C168.1@123.93,120.95 123.93,120.929 124.374,120.484 124.374,120.437 v1(124.403,120.409) ; v1(124.403,95.609) 124.374,95.637 124.374,95.684 C157.1@123.93,96.129 ; C132.1@124.512,73.05 124.515,73.054 124.515,73.571 v1(124.519,73.575) ; U4.A1@124.744,75.25 U4.B2@125.544,76.05 ; U3.A1@124.744,87.65 U3.B2@125.544,88.45 ; U6.A1@124.744,100.05 U6.B2@125.544,100.85 ; U5.A1@124.744,112.45 U5.B2@125.544,113.25 ; C162.1@124.787,85.45 124.787,85.471 125.231,85.916 125.231,85.963 v1(125.26,85.991) ; C145.1@124.787,97.85 124.787,97.871 125.231,98.316 125.231,98.363 v1(125.26,98.391) ; C170.1@124.787,110.25 124.787,110.271 125.231,110.716 125.231,110.763 v1(125.26,110.791) ; C138.1@125.787,83.75 125.787,83.729 126.231,83.284 126.231,83.237 v1(126.26,83.209) ; C156.1@125.787,96.15 125.787,96.129 126.231,95.684 126.231,95.637 v1(126.26,95.609) ; C143.1@125.787,108.55 125.787,108.529 126.231,108.084 126.231,108.037 v1(126.26,108.009) ; C175.1@125.787,120.95 125.8,120.937 125.8,120.55 125.988,120.362 126.507,120.362 v1(126.535,120.334) ; v1(126.344,73.575) 126.35,73.569 126.35,73.056 C133.1@126.355,73.05 ; U3.C1@126.344,87.65 U3.D2@127.144,88.45 ; U3.C9@126.344,94.05 v1(126.344,94.616) ; U6.C1@126.344,100.05 U6.D2@127.144,100.85 ; U5.C1@126.344,112.45 U5.D2@127.144,113.25 ; C161.1@126.955,85.45 126.955,85.471 127.4,85.916 127.4,85.963 v1(127.429,85.991) ; C144.1@126.955,97.85 126.955,97.871 127.4,98.316 127.4,98.363 v1(127.429,98.391) ; C166.1@126.955,110.25 126.955,110.271 127.4,110.716 127.4,110.763 v1(127.429,110.791) ; U3.D9@127.144,94.05 v1(127.142,94.627) U3.E9@127.944,94.05 ; C136.1@127.601,83.75 127.601,83.729 128.046,83.284 128.046,83.237 v1(128.074,83.209) ; C158.1@127.601,96.15 127.601,96.129 128.046,95.684 128.046,95.637 v1(128.074,95.609) ; C142.1@127.601,108.55 127.601,108.529 128.046,108.084 128.046,108.037 v1(128.074,108.009) ; C173.1@127.601,120.95 127.601,120.971 127.965,121.335 127.965,121.521 v1(127.994,121.55) ; U3.F1@128.725,87.65 128.735,87.64 128.735,87.139 v1(128.744,87.13) ; U4.F1@128.744,75.25 128.76,75.234 128.76,74.856 128.9,74.716 v1(128.9,74.675) ; v1(129.944,75.65) U4.H2@130.344,76.05 ; v1(129.944,88.05) 129.944,88.055 130.325,88.436 U3.H2@130.325,88.45 ; C164.1@131.292,85.45 131.292,85.471 131.737,85.916 131.737,85.963 v1(131.766,85.991) ; C167.1@131.292,110.25 131.292,110.271 131.737,110.716 131.737,110.763 v1(131.766,110.791) ; C147.1@131.317,97.871 131.317,97.896 131.832,98.41 v1(131.84,98.41) ; C130.1@131.584,73.059 131.64,73.114 131.64,73.621 v1(131.669,73.65) ; C130.1@131.687,73.052 131.791,72.948 131.791,72.585 132.078,72.299 132.078,72.275 132.203,72.15 C149.2@132.226,72.15 ; U4.N1@134.344,75.25 v1(134.344,73.6) 134.36,73.584 134.36,73.066 C129.1@134.375,73.05 ; U4.N9@134.344,81.65 134.344,82.45 v1(135.103,83.209) 135.132,83.237 135.132,83.317 135.544,83.729 C135.1@135.544,83.75 ; U3.N1@134.344,87.65 134.344,86.441 133.934,86.032 v1(133.934,85.991) 133.963,85.963 133.963,85.883 134.375,85.471 C165.1@134.375,85.45 ; U3.N9@134.344,94.05 134.344,94.85 v1(135.103,95.609) 135.132,95.637 135.132,95.717 135.544,96.129 C159.1@135.544,96.15 ; U6.N1@134.344,100.05 134.344,98.841 133.946,98.444 v1(133.946,98.403) 133.975,98.375 133.975,98.271 134.375,97.871 C148.1@134.375,97.85 ; U6.N9@134.344,106.45 134.344,107.25 v1(135.103,108.009) 135.132,108.037 135.132,108.117 135.544,108.529 C139.1@135.544,108.55 ; U5.N1@134.344,112.45 134.344,111.241 133.934,110.832 v1(133.934,110.791) 133.963,110.763 133.963,110.683 134.375,110.271 C174.1@134.375,110.25 ; U5.N9@134.344,118.85 134.344,119.65 v1(135.103,120.409) 135.132,120.437 135.132,120.517 135.544,120.929 C172.1@135.544,120.95 ; U4.R1@135.944,75.25 135.944,74.447 136.763,73.628 v1(136.781,73.628) 136.752,73.599 136.752,73.279 136.544,73.071 C131.1@136.544,73.05 ; U4.R9@135.944,81.65 135.944,82.293 v1(136.86,83.209) 136.889,83.237 136.889,83.317 137.301,83.729 C134.1@137.301,83.75 ; U3.R1@135.944,87.65 135.944,86.191 136.103,86.032 v1(136.103,85.991) 136.132,85.963 136.132,85.883 136.544,85.471 C163.1@136.544,85.45 ; U3.R9@135.944,94.05 135.935,94.059 135.935,94.073 135.944,94.082 135.944,94.612 136.889,95.557 136.889,95.561 136.92,95.592 136.92,95.747 137.301,96.129 C160.1@137.301,96.15 ; U6.R1@135.944,100.05 135.944,98.591 136.103,98.432 v1(136.103,98.391) 136.132,98.363 136.132,98.283 136.544,97.871 C146.1@136.544,97.85 ; U6.R9@135.944,106.45 135.944,107.093 v1(136.86,108.009) 136.889,108.037 136.889,108.117 137.301,108.529 C140.1@137.301,108.55 ; U5.R1@135.944,112.45 135.944,110.991 136.103,110.832 v1(136.103,110.791) 136.132,110.763 136.132,110.683 136.544,110.271 C171.1@136.544,110.25 ; U5.R9@135.944,118.85 135.944,119.493 v1(136.86,120.409) 136.889,120.437 136.889,120.517 137.301,120.929 C169.1@137.301,120.95 ; v1(138.844,92.7) C124.1@138.844,93.25 ; v1(138.844,105.2) C125.1@138.844,105.75 ; v1(128.744,99.53) U6.F1@128.744,100.05 v1(128.744,99.53) ; v1(128.744,111.93) U5.F1@128.744,112.45 v1(128.744,111.93) ; v1(129.944,100.45) U6.H2@130.344,100.85 v1(129.944,100.45) ; v1(129.944,112.85) U5.H2@130.344,113.25 v1(129.944,112.85)